# Altium PCB COPY_HIVE_BOARD.PcbDoc (part 3 of 9) (continued)
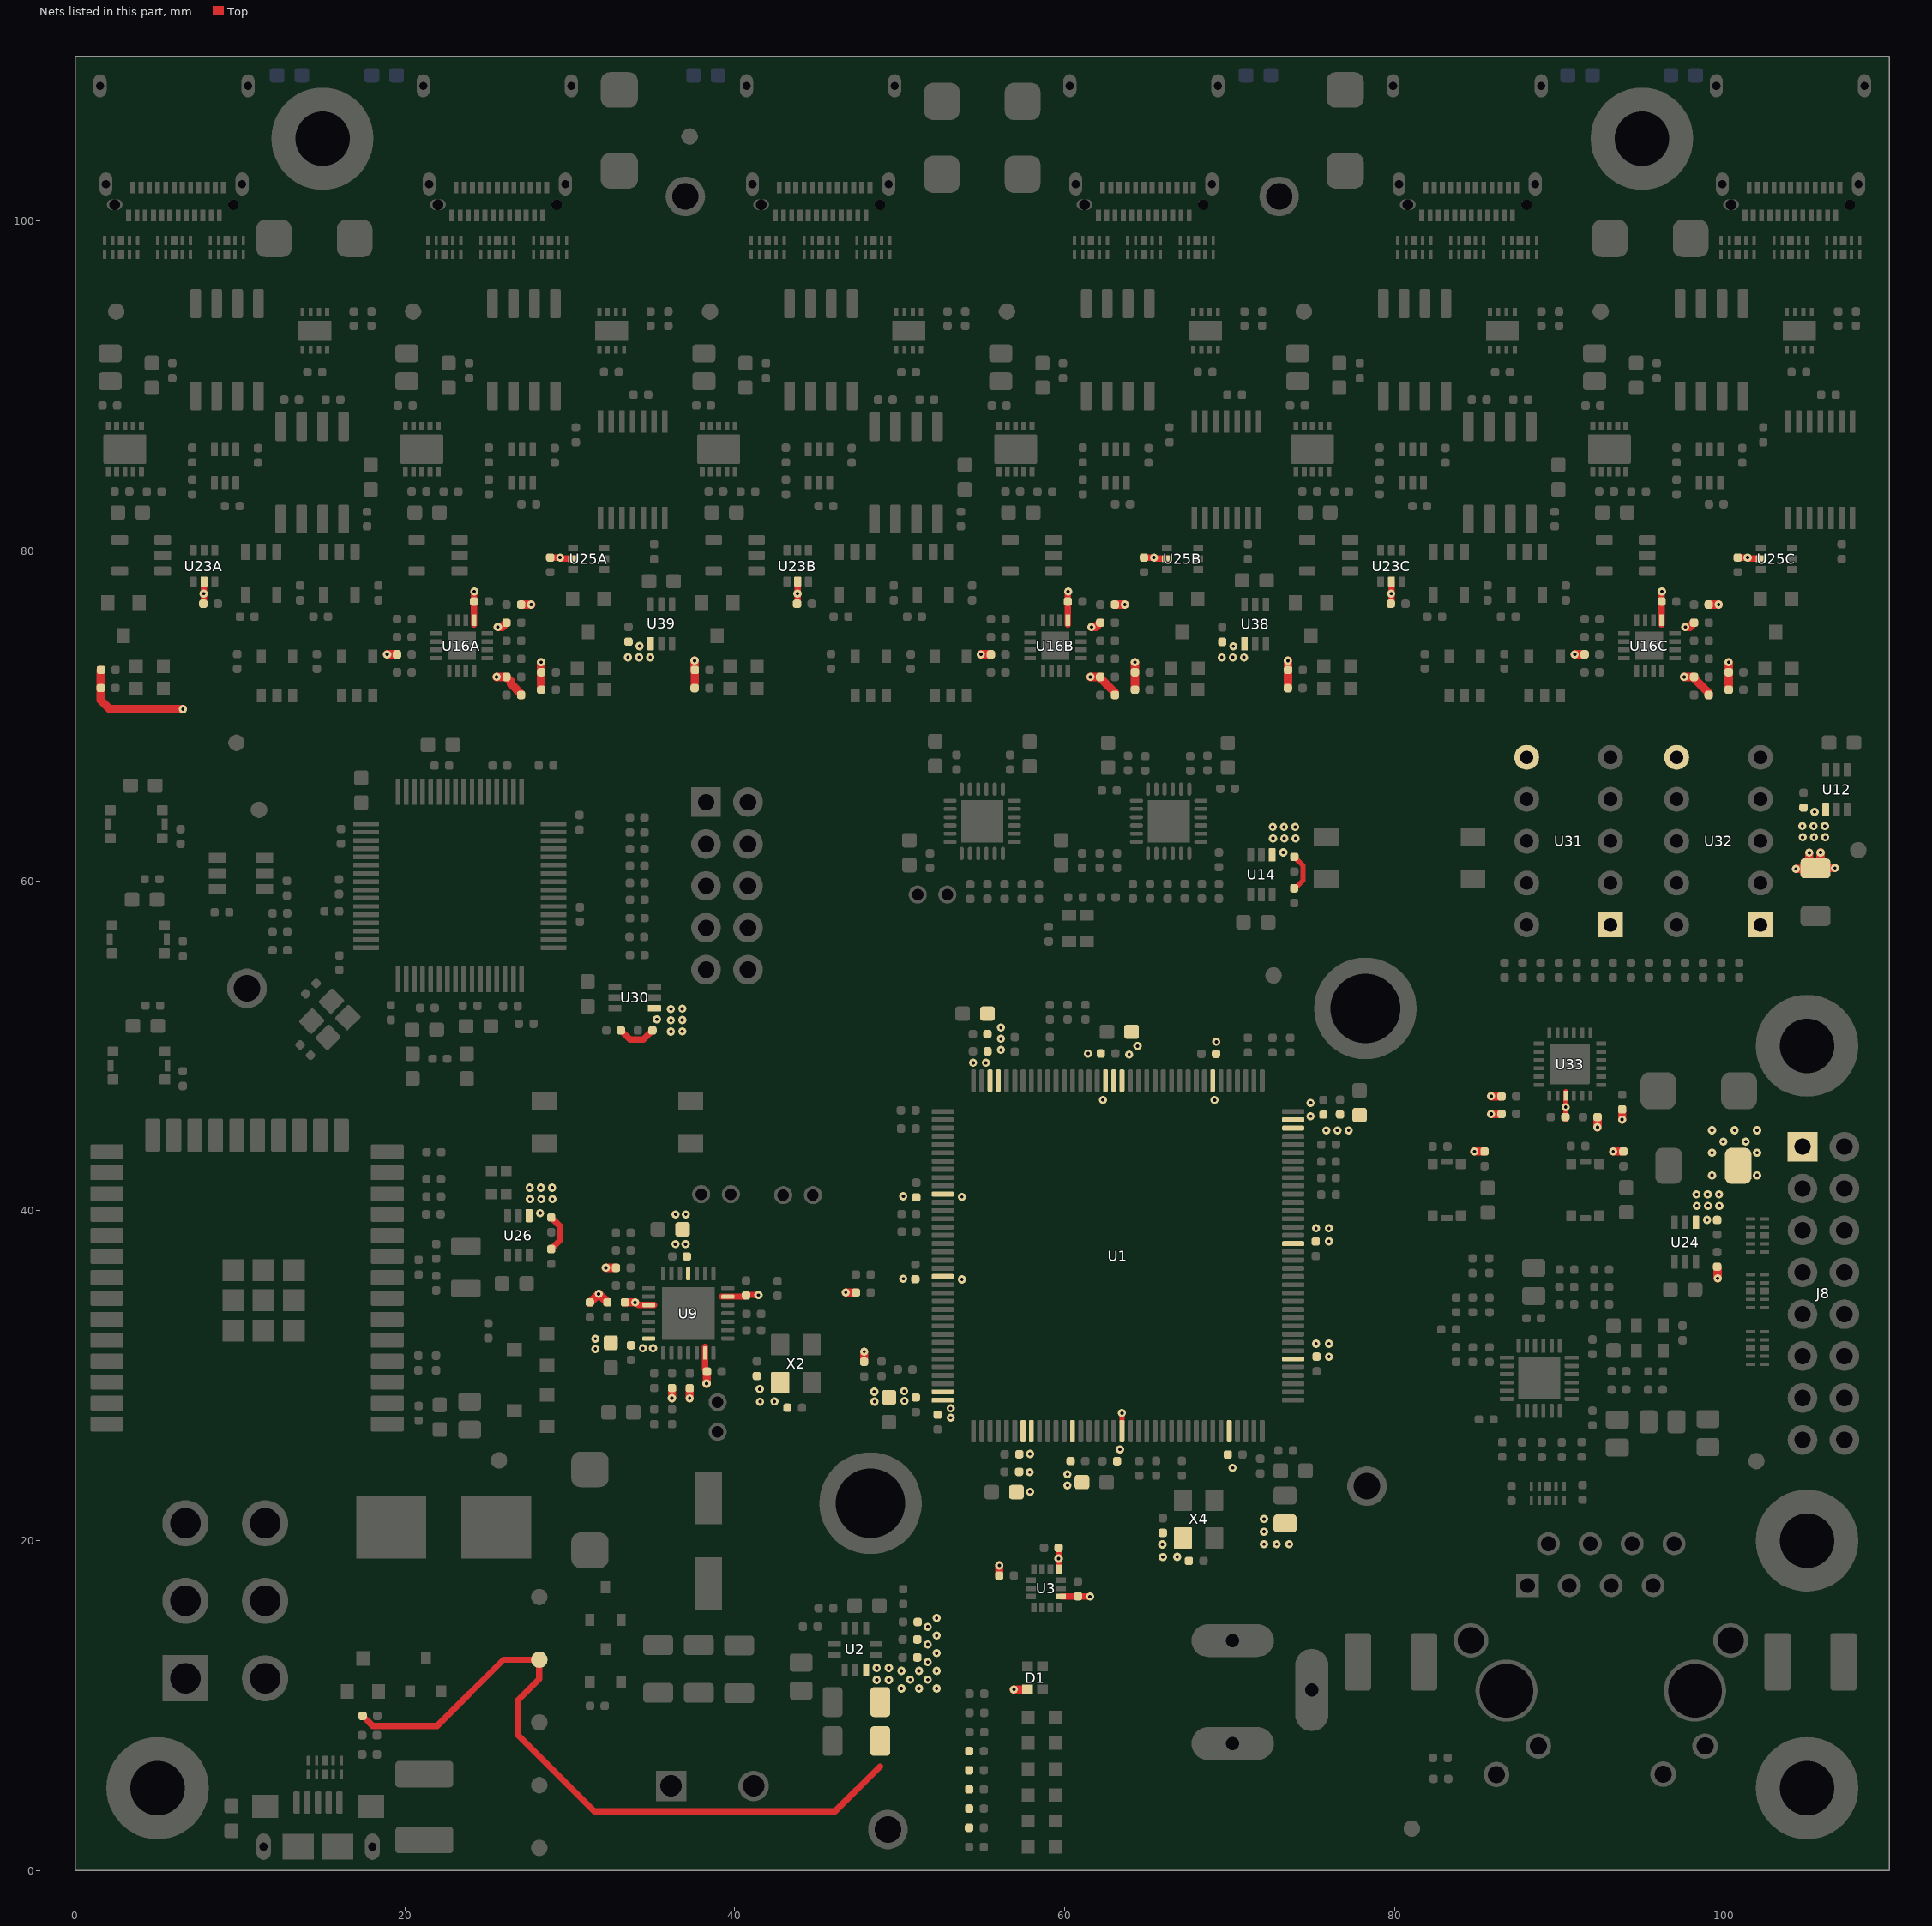
[diagram p9: the nets of this part, all layers, seen from the top]
## Part data (continued)
D14A D14B D14C D20A D20B D20C: library part LED_SML-D12U8WT86, "LED - RED DIFFUSED 0603 SMD - 0603", Current Rating=1-20mA, Manufacturer #1="Rohm Semiconductor", Package=0603, Supplier Part Number 1=511-1580-1-ND, Temperature=-40〜+85, Voltage Rating="2.2V (Forward), 5V (max Reverse)", Assembly Type=SMD, CreatedBy/Date="Olivier Bernard / 01/02/2018", Cryo=UNKNOWN, GRAMS Lib Spec=2.8, HelpURL=https://d1d2qsbl8m0m72.cloudfront.net/en/products/databook/datasheet/opto/led/chip_mono/sml-d12x8_d13x8-e.pdf, Magnetic Material=UNKNOWN, Note="Operate at 2mA", Part Number #1=SML-D12U8WT86, Polarized=Yes, Supplier 1=Digi-Key, VerifiedBy="Caroline Paulin / 6 juillet 2018"
D28: library part TVS_POW_SMLVT3V3, "TVS - 3.3V 10.3V 600W - DO214AA", Current Rating="200A (Ifsm)", Manufacturer #1=STMicroelectronics, Package=DO214AA, Power Max="600W (Ppp)", Supplier Part Number 1=497-2496-1-ND, Temperature="-55°C ~ 175°C (TJ)", Voltage Rating="3.3V Standoff", Assembly Type=SMD, CreatedBy/Date="Jonathan Bouchard - 2019-04-27", Cryo=UNKNOWN, GRAMS Lib Spec=2.8, HelpURL=https://www.st.com/content/ccc/resource/technical/document/datasheet/da/a4/86/90/17/13/47/7c/CD00000923.pdf/files/CD00000923.pdf/jcr:content/translations/en.CD00000923.pdf, Magnetic Material=UNKNOWN, Part Number #1=SMLVT3V3, Polarized=YES, Supplier 1=Digi-Key, VerifiedBy="Nicolas V. (2019-05-06)"
F1: library part FUS_0154005.DR, "FUS - 5 A 125 VAC/VDC - 2-SMD", Current Rating=5A, Manufacturer #1="Littelfuse Inc.", Package=2-SMD, Supplier Part Number 1=F1228CT-ND, Temperature="-55°C ~ 125°C", Voltage Rating=125V, Assembly Type=SMD, CreatedBy/Date="Arnaud Samson - 06/07/18", Cryo=UNKNOWN, GRAMS Lib Spec=2.8, HelpURL=http://www.littelfuse.com/~/media/electronics/datasheets/fuses/littelfuse_fuse_154_154t_154l_154tl_datasheet.pdf.pdf, Magnetic Material=UNKNOWN, Part Number #1=0154005.DR, Polarized=NO, Supplier 1=Digi-Key, VerifiedBy="Jonathan Bouchard 2018-07-16"
FID1 FID2 FID3: library part FID_CIRCLE_1MM, "FID - FIDUCIAL 1MM CIRCLE DOUBLE-SIDED - 1MM", Package="1MM CIRCLE", Assembly Type=NONE, CreatedBy/Date="Jonathan Bouchard 2018-07-23", GRAMS Lib Spec=2.8, HelpURL=https://www.pcb-3d.com/wordpress/wp-content/uploads/ipc-sm-782a_amendment_1_and_2.pdf, Magnetic Material=NO, VerifiedBy="Caroline Paulin - 25 juillet 2018"
HS1: library part THE_HS_ATS-CPX025025015-138-C2-R0_NOMH, "THE_HS - Heat Sink  25x25x15 mm - TH M3", Manufacturer #1="Advanced Thermal Solutions Inc.", Package=20x20x15mm, Power Max="12.20 °C/W @ 100LFM", Supplier Part Number 1=ATS1516-ND, Assembly Type="M3 Screws", CreatedBy/Date="Philippe Arsenault/2021-04-08", GRAMS Lib Spec=2.8, HelpURL=https://www.qats.com/pushPIN/DataSheet/ATS-CPX025025015-138-C2-R0, Magnetic Material=Unknown, Part Number #1=ATS-CPX025025015-138-C2-R0, Polarized=No, Supplier 1=Digi-Key, VerifiedBy="Louis-Daniel Gaulin / 14-04-2021"
J1: library part CON_USB_2.0_MicroB_10118193-0001LF, "CON - USB MICRO B RECPT SMT R/A - 4PIN", Current Rating=1.8A/contact, Manufacturer #1="Amphenol ICC (FCI)", Package=5-SMD, Supplier Part Number 1=609-4616-1-ND, Temperature="-30°C ~ 80°C", Voltage Rating=100VAC, Assembly Type=SMD, CreatedBy/Date="Louis-Daniel Gaulin / 31-05-2021", Cryo=UNKNOWN, GRAMS Lib Spec=2.8, HelpURL=https://www.amphenol-icc.com/media/wysiwyg/files/drawing/10118193.pdf?__cf_chl_jschl_tk__=6d5b316db0ca5d2788caa1989b39659b9ea3c0ed-1622505795-0-AaRt1DRyGvMNSBAk-qveCbchLKWQVIAmMiw21edGgytfrVBaCdBHD0R7JP7UqzERtsgLGU8HnLnb9NYw-qq_cWljJZMkMwMtVSFHzRWJlLGbudgxgloryBeAgmSCpzkO2dZRjU3EQamWhvcULwajMV3fUiPho2i-h9AvBD-JqRwzr_N72ynCGWIjWcVHfmsFPyxAQrRMF2zITy4XZMyiz2AisoEE3UXmLsQg-7dODwqIJ2w3QedNraoyztkugiCMWxiG_3uBZp4Hnkmn46Uonr3vdxMQME4_KheuMgFPp_P5DOBRGOjNcuKVWDKaTIxtzSjm-Vi4YySbwfngYOahHgBwxZ2C5SyJl7R0K4LSNt2ojAQ_mNseQmjUzt2NlEQzWcUY5VyszMT4_2moKBiyVJV5rMzbQJeY5pbhSVMFh_uqO5OAY_NpBW4J5fNDt7yaBnEN83RzXmHLdXapuDszcAuGnTT7dhkWobY6IAAHQ-dVnvz40dzhWNjP-wfi7Oy6mg, Magnetic Material=YES, Part Number #1=10118193-0001LF, Polarized=YES, Supplier 1=Digi-Key, VerifiedBy="Philippe Arsenault/2021-06-07"
J2: library part CON_PWR_54-00166, "CON -  PWR JACK 231X5.5MM SOLDER RIGHT ANGLE - TH", Current Rating=6A, Manufacturer #1="Tensility International Corp", Manufacturer #2=-, Package=TH, Supplier Part Number 1=839-54-00166-ND, Temperature="-20°C ~ 70°C", Voltage Rating=48V, Assembly Type=TH, CreatedBy/Date="L-D Gaulin / 23-05-2021", Cryo=UNKNOWN, GRAMS Lib Spec=2.8, HelpURL=https://tensility.s3.amazonaws.com/uploads/pdffiles/54-00166.pdf?X-Amz-Expires=600&X-Amz-Date=20210524T010042Z&X-Amz-Algorithm=AWS4-HMAC-SHA256&X-Amz-Credential=AKIAIS2S4WRDQDSWDRZQ%2F20210524%2Fus-west-2%2Fs3%2Faws4_request&X-Amz-SignedHeaders=host&X-Amz-Signature=421a14a98a6cb1d4ecc5694c8922295a9a1148252ef58783507cb2127da09a73, Magnetic Material=Unknown, Note=-, Part Number #1=54-00166, Part Number #2=-, Polarized=Yes, Supplier 1=Digi-Key, Tolerance=-, VerifiedBy="Philippe Arsenault/24-05-2021"
J3: library part CON_1935161, "CON - TERM BLK 2POS SIDE ENTRY 5MM PCB - TH - 14-26 AWG", Current Rating=17.5A, Manufacturer #1="Phoenix Contact", Package=TH, Supplier Part Number 1=277-1667-ND, Temperature="-40 °C ~ 100 °C", Voltage Rating=400V, Assembly Type=TH, CreatedBy/Date="Louis-Daniel Gaulin / 02-11-2020", Cryo=UNKNOWN, GRAMS Lib Spec=2.8, HelpURL=https://media.digikey.com/pdf/Data%20Sheets/Phoenix%20Contact%20PDFs/1935161.pdf, Magnetic Material=Unknown, Part Number #1=1935161, Polarized=Yes, Supplier 1=Digi-Key, VerifiedBy="Philippe Arsenault/2020-11-06"
J4A J4B J4C J5A J5B J5C: library part CON_USB_3.2_TypeC_12401598E4#2A, "CON_USB - USB 3.2 Gen 2 (USB 3.1 Gen 2, Superspeed + (USB 3.1)) 24 pos Receptacle - R/A", Current Rating="5A total", Manufacturer #1="Amphenol ICC (Commercial Products)", Package="SMD + TH R/A", Power Max=-, Supplier Part Number 1=12401598E4#2ACT-ND, Temperature="max 105°C", Assembly Type="SMD + TH", CreatedBy/Date="Louis-Daniel Gaulin / 07-04-2021", GRAMS Lib Spec=2.8, HelpURL=https://www.amphenol-icc.com/media/wysiwyg/files/drawing/12401598xxx2a.pdf, Magnetic Material=Unknown, Part Number #1=12401598E4#2A, Polarized=Yes, Supplier 1=Digi-Key, VerifiedBy="Philippe Arsenault/2021-04-08", Voltage Rating=-
J6: library part CON_ETH_J1B1211CCD, "CON_ETH - 1 Port RJ45 Magjack Connector Through Hole 10/100 Base-T, AutoMDIX / 350 µH minimum OCL with 8 mA bias current.", Manufacturer #1=WIZnet, Part Number #1=1278-1052-ND, Temperature="-40°C ~ 85°C", Assembly Type=SMD, CreatedBy/Date="Hubert Dube - 12/02/2021", Cryo=UNKNOWN, GRAMS Lib Spec=2.8, HelpURL=http://wizwiki.net/wiki/lib/exe/fetch.php?media=products:wiz550web:wiz550webds_kr:j1b1211ccd.pdf, Magnetic Material=Unknown, Polarized=Yes, Supplier 1=Digi-Key, Supplier Part Number 1=1278-1052-ND, VerifiedBy="Philippe Arsenault - 2021-03-10"
J7: library part CON_HDR_PREC005DAAN-RC, "CON - Connector Header Through Hole 10 position 0.100\" (2.54mm)", Current Rating=3A, Manufacturer #1="Sullins Connector Solutions", Package="TH 2x5", Supplier Part Number 1=S2012EC-05-ND, Temperature="-40°C ~ 105°C", Assembly Type=TH, CreatedBy/Date="Philippe Arsenault/2021-03-27", GRAMS Lib Spec=2.8, HelpURL=https://drawings-pdf.s3.amazonaws.com/11636.pdf, Magnetic Material=Unknown, Part Number #1=PREC005DAAN-RC, Polarized=Yes, Supplier 1=Digi-Key, VerifiedBy="Louis-Daniel Gaulin / 08-04-2021"
J8: library part CON_HDR_PREC008DAAN-RC, "CON - Connector Header Through Hole 16 position 0.100\" (2.54mm)", Current Rating=3A, Manufacturer #1="Sullins Connector Solutions", Package="TH 2x8", Supplier Part Number 1=S2012EC-08-ND, Temperature="-40°C ~ 105°C", Assembly Type=TH, CreatedBy/Date="Hubert Dube -  16/03/2021", GRAMS Lib Spec=2.7, HelpURL=https://drawings-pdf.s3.amazonaws.com/11636.pdf, Magnetic Material=Unknown, Part Number #1=PREC008DAAN-RC, Polarized=Yes, Supplier 1=Digi-Key, VerifiedBy="Philippe Arsenault/2021-03-25"
J10 J12 J13 J15 J17: library part CON_JMP_SNT-100-BK-T-H, "CON - CONN SHUNT - MEC", Current Rating=4.3A, Manufacturer #1="Samtec Inc.", Package=MEC, Supplier Part Number 1=SAM8972-ND, Temperature="-55 °C to +125 °C", Voltage Rating="450 VAC", Assembly Type=MANUAL, CreatedBy/Date="Arnaud Samson - 09/07/18", GRAMS Lib Spec=2.8, HelpURL=http://suddendocs.samtec.com/catalog_english/snt.pdf, Magnetic Material=UNKNOWN, Part Number #1=SNT-100-BK-T-H, Polarized=NO, Supplier 1=Digi-Key, VerifiedBy="Jonathan Bouchard 2018-07-12"
L1 L3: library part FER_MMZ2012Y202BT000, "FER - FERRITE BEAD 2 KOHM @ 100 MHz 400 mA - 0805", Current Rating="400 mA", Manufacturer #1="TDK Corporation", Package=0805, Supplier Part Number 1=445-1561-1-ND, Temperature="-55°C ~ 125°C", Assembly Type=SMD, CreatedBy/Date="Hubert Dube - 7/02/2021", Cryo=UNKNOWN, GRAMS Lib Spec=2.8, HelpURL=https://product.tdk.com/info/en/catalog/datasheets/beads_commercial_signal_mmz2012_en.pdf, Magnetic Material=Unknown, Part Number #1=MMZ2012Y202BT000, Polarized=No, Supplier 1=Digi-Key, VerifiedBy="Philippe Arsenault/ 2021-03-13"
L4 L6: library part FER_BLM18HE152SN1D, "FER - 1.5 kOhms @ 100MHz 1 Signal Line Ferrite Bead 0603 (1608 Metric) 500mA 500mOhm DC", Current Rating=500mA, Manufacturer #1="Murata Electronics", Package=0603, Supplier Part Number 1=490-5216-1-ND, Temperature="-55°C ~ 125°C", Assembly Type=SMD, CreatedBy/Date="Hubert Dube - 16/03/2021", Cryo=UNKNOWN, GRAMS Lib Spec=2.8, HelpURL=https://www.murata.com/en-us/products/productdata/8796741599262/ENFA0004.pdf, Magnetic Material=Unknown, Part Number #1=BLM18HE152SN1D, Polarized=No, Supplier 1=Digi-Key, VerifiedBy="Philippe Arsenault - 2021-03-16"
MEC1 MEC2: library part MEC_PEM_SMTSO-M3-2ET, "MEC- PEM SMD THREADED SPACER M3 - SMD", Manufacturer #1="PENN ENGINEERING", Package=SMD, Power Max=-, Assembly Type=SMD, CreatedBy/Date="Gabriel St-H./30-04-2019", Cryo=UNKNOWN, GRAMS Lib Spec=2.7, HelpURL=http://catalog.pemnet.com/item/uts-and-spacers-standoffs-surface-mount-type-smtso/nt-nuts-and-spacers-standoffs-br-type-smtso-metric/smtso-m3-2et, Magnetic Material=Unknown, Part Number #1=SMTSO-M3-2ET, Polarized=NO, Supplier 1="PENN ENGINEERING", Supplier Part Number 1=SMTSO-M3-2ET, Temperature=-, Tolerance=-, VerifiedBy="Nicolas V. (2019-05-02)", Voltage Rating=-
MTH1 MTH2 MTH3 MTH4 MTH5 MTH6: library part MTH_M3, "MTH - MOUNTING HOLE M3 PLATED - M3", Assembly Type=NONE, CreatedBy/Date="Jonathan Bouchard 2018-07-23", Cryo=UNKNOWN, GRAMS Lib Spec=2.8, HelpURL=https://littlemachineshop.com/images/gallery/PDF/TapDrillSizes.pdf, Magnetic Material=NO, Package=M3, VerifiedBy="Arnaud Samson 23-07-18"
Q1: library part TRX_PMOS_SI2369DS-T1-GE3, "TRX - PMOS 30V 7.6A - SOT−23", Current Rating=7.6A, Manufacturer #1="Vishay Siliconix", Package=SOT-23, Power Max=1.25W, Supplier Part Number 1=SI2369DS-T1-GE3CT-ND, Temperature="-55°C ~ 150°C", Voltage Rating=30V, Assembly Type=SMD, CreatedBy/Date="Louis-Daniel Gaulin / 30-07-2020", Cryo=UNKNOWN, GRAMS Lib Spec=2.8, HelpURL=https://www.vishay.com/docs/62865/si2369d.pdf, Magnetic Material=Unknown, Part Number #1=SI2369DS-T1-GE3, Polarized=Yes, Supplier 1=Digi-Key, VerifiedBy="Philippe Arsenault/2020-11-06"
Q2 Q3A Q3B Q3C Q4A Q4B Q4C Q5 Q6: library part TRX_NMOS_BSS138LT1G, "TRX - NMOS - 50V 200MA - SOT−23-3", Current Rating=200mA, Manufacturer #1="ON Semiconductor", Package=SOT-23-3, Power Max=225mW, Supplier Part Number 1=BSS138LT1GOSCT-ND, Temperature="-55°C ~ 150°C", Voltage Rating=50V, Assembly Type=SMD, CreatedBy/Date="Joel Lemay 2018-06-15", Cryo=UNKNOWN, GRAMS Lib Spec=2.8, HelpURL=http://www.onsemi.com/pub/Collateral/BSS138LT1-D.PDF, Magnetic Material=Unknown, Part Number #1=BSS138LT1G, Polarized=Yes, Supplier 1=Digi-Key, VerifiedBy="Caroline Paulin - 6 sept 2018"
R1 R2 R5 R23 R25 R33 R40 R46 R77A R77B R77C R110A R110B R110C R115A R115B R115C R123A R123B R123C R129: library part RES_ERJ-2RKF4750X, "RES - 475R 1% 1/10W- 0402", Manufacturer #1="Panasonic Electronic Components", Package=0402, Power Max=1/10W, Supplier Part Number 1=P475LCT-ND, Temperature="-55°C ~ 155°C", Tolerance=1%, Voltage Rating=50V, Assembly Type=SMD, CreatedBy/Date="Keven Deslandes 2018-10-17", Cryo=UNKNOWN, GRAMS Lib Spec=2.8, HelpURL=https://industrial.panasonic.com/cdbs/www-data/pdf/RDA0000/AOA0000C304.pdf, Magnetic Material=Unknown, Part Number #1=ERJ-2RKF4750X, Polarized=No, Supplier 1=Digi-Key, VerifiedBy="Carolilne Paulin - 18/12/2018"
R3 R8 R11 R12 R22 R27 R28 R38 R63 R80 R81 R83 R84 R85 R86 R87 R88 R89 R90 R182 R183: library part RES_RC0402FR-071KL, "RES - 1K OHM 1% 1/16W - 0402", Manufacturer #1=Yageo, Package=0402, Power Max=1/16W, Supplier Part Number 1=311-1.00KLRCT-ND, Temperature="-55°C ~ 155°C", Tolerance=1%, Voltage Rating=50V, Assembly Type=SMD, CreatedBy/Date="Jonathan Bouchard 2018-07-05", Cryo=UNKNOWN, GRAMS Lib Spec=2.8, HelpURL=http://www.yageo.com/documents/recent/PYu-RC_Group_51_RoHS_L_9.pdf, Magnetic Material=YES, Part Number #1=RC0402FR-071KL, Polarized=NO, Supplier 1=Digi-Key, VerifiedBy="Arnaud Samson 16-07-18"
  R182 R183: Assembly Note=DNI
R4 R6 R7 R10 R13 R14 R16 R17 R20 R21 R24 R29 R35 R36 R53 R58 R59 R60 R61 R64 R65 R66 R67 R68 R69 R73 R75 R76 R78 R91 R92 R93A R93B R93C R96 R101A R101B R101C R109 R111A R111B R111C R112A R112B R112C R113A R113B R113C R114 R116 R120 R121 R122 R124A R124B R124C R125 R126 R127A R127B R127C R131 R133A R133B R133C R134 R153 R156 R157 R158 R159 R160 R175 R176 R177 R180 R181: library part RES_RC0402FR-0710KL, "RES - 10K OHMS 1% 1/16W - 0402", Manufacturer #1=Yageo, Package=0402, Power Max=1/16W, Supplier Part Number 1=311-10.0KLRCT-ND, Temperature="-55°C ~ 155°C", Tolerance=1%, Voltage Rating=50V, Assembly Type=SMD, CreatedBy/Date="Nicolas V. (2018-11-20)", Cryo=UNKNOWN, GRAMS Lib Spec=2.8, HelpURL=http://www.yageo.com/documents/recent/PYu-RC_Group_51_RoHS_L_9.pdf, Magnetic Material=UNKNOWN, Part Number #1=RC0402FR-0710KL, Polarized=NO, Supplier 1=Digi-Key, VerifiedBy="Nicolas V. (2018-11-20)"
  R4 R6 R7 R10 R16 R17 R20 R21 R24 R29 R35 R36 R64 R93A R93B R93C R96 R101A R101B R101C R109 R111A R111B R111C R112A R112B R112C R113A R113B R113C R120 R124A R124B R124C R125 R127A R127B R127C R131 R133A R133B R133C R177 R180 R181: Solder Paste Type=UNKNOWN, Stencil Thickness (Recommended)=UNKNOWN
  R116 R156 R157 R158 R159 R160 R176: Assembly Note=DNI
R9 R39 R71 R135 R136 R137 R138 R139 R140 R141 R142 R143 R144 R145 R146 R147 R148 R149 R150: library part RES_RC0402FR-07150RL, "RES - 150R 1% 1/16W - 0402", Manufacturer #1=Yageo, Package=0402, Power Max=1/16W, Supplier Part Number 1=311-150LRCT-ND, Temperature="-55°C ~ 155°C", Tolerance=1%, Voltage Rating=50V, Assembly Type=SMD, CreatedBy/Date="Jonathan Bouchard 2019-03-25", Cryo=UNKNOWN, GRAMS Lib Spec=2.8, HelpURL=http://www.yageo.com/documents/recent/PYu-RC_Group_51_RoHS_L_10.pdf, Magnetic Material=Unknown, Part Number #1=RC0402FR-07150RL, Polarized=No, Supplier 1=Digi-Key, VerifiedBy="Nicolas V. (2019-05-02)"
R15: library part RES_RC0402FR-0747KL, "RES - 47k ±1% 1/16W - 0402", Manufacturer #1=Yageo, Package=0402, Power Max=1/16W, Supplier Part Number 1=311-47.0KLRCT-ND, Temperature="-55°C ~ 155°C", Tolerance=1%, Voltage Rating=50V, Assembly Type=SMD, CreatedBy/Date="Louis-Daniel Gaulin / 11-04-2021", GRAMS Lib Spec=2.8, HelpURL=https://www.yageo.com/upload/media/product/productsearch/datasheet/rchip/PYu-RC_Group_51_RoHS_L_11.pdf, Magnetic Material=Unknown, Part Number #1=RC0402FR-0747KL, Polarized=No, Supplier 1=Digi-Key, VerifiedBy="Philippe Arsenault/2021-04-14"
R18 R19 R47 R48: library part RES_RMCF0402FT10R0, "RES - 10R 1% 1/16W - 0402", Current Rating=1A, Manufacturer #1="Stackpole Electronics Inc.", Manufacturer #2=Panasonic, Package=0402, Part Number #2=ERJ-2RKF10R0X, Power Max=1/16W, Supplier Part Number 1=RMCF0402FT10R0CT-ND, Temperature="-55°C ~ 155°C", Tolerance=1%, Voltage Rating=50V, Assembly Type=SMD, CreatedBy/Date="Joel Lemay 2018-07-04", Cryo=UNKNOWN, GRAMS Lib Spec=2.8, HelpURL=https://www.seielect.com/Catalog/SEI-RMCF_RMCP.pdf, Magnetic Material=Unknown, Part Number #1=RMCF0402FT10R0, Polarized=No, Supplier 1=Digi-Key, VerifiedBy="Caroline Paulin - 6 sept 2018"
R26: library part RES_RC0402FR-0715KL, "RES - 15K 1% 1/16W - 0402", Manufacturer #1=Yageo, Package=0402, Power Max=1/16W, Supplier Part Number 1=311-15.0KLRCT-ND, Temperature="-55°C ~ 155°C", Tolerance=1%, Voltage Rating=50V, Assembly Type=SMD, CreatedBy/Date="Keven Deslandes 2018-09-24", Cryo=UNKNOWN, GRAMS Lib Spec=2.8, HelpURL=http://www.yageo.com/documents/recent/PYu-RC_Group_51_RoHS_L_9.pdf, Magnetic Material=Unknown, Part Number #1=RC0402FR-0715KL, Polarized=No, Supplier 1=Digi-Key, VerifiedBy="Caroline Paulin - 18/12/2018"
R30 R154A R154B R154C R155A R155B R155C: library part RES_RC0603JR-070RL, "RES - 0 ohm jumper 1/10W - 0603", Manufacturer #1=Yageo, Package=0603, Power Max=1/10W, Supplier Part Number 1=311-0.0GRCT-ND, Temperature="-55°C ~ 155°C", Voltage Rating=-, Assembly Note=DNI, Assembly Type=SMD, CreatedBy/Date="L-P Gauthier 2018-10-30", Cryo=UNKNOWN, GRAMS Lib Spec=2.8, HelpURL=http://www.yageo.com/documents/recent/PYu-RC_Group_51_RoHS_L_9.pdf, Magnetic Material=Unknown, Part Number #1=RC0603JR-070RL, Polarized=No, Supplier 1=Digi-Key, VerifiedBy="Caroline Paulin  - 5/11/2018"
R31 R32 R37 R54 R55 R56 R57 R62 R79 R94A R94B R94C R128A R128B R128C: library part RES_RC0402FR-07100RP, "RES - 100R OHM 1% 1/16W - 0402", Manufacturer #1=Yageo, Package=0402, Power Max=1/16W, Supplier Part Number 1=YAG1248CT-ND, Temperature="-55°C ~ 155°C", Tolerance=1%, Voltage Rating=50V, Assembly Type=SMD, CreatedBy/Date="Jonathan Bouchard 2018-07-05", Cryo=UNKNOWN, GRAMS Lib Spec=2.8, HelpURL=http://www.yageo.com/documents/recent/PYu-RC_Group_51_RoHS_L_9.pdf, Magnetic Material=YES, Part Number #1=RC0402FR-07100RP, Polarized=NO, Supplier 1=Digi-Key, VerifiedBy="Arnaud Samson 16-07-18"
R34 R95A R95B R95C R97A R97B R97C R99A R99B R99C R100A R100B R100C R106A R106B R106C R107A R107B R107C R117A R117B R117C R118A R118B R118C R119A R119B R119C: library part RES_RC0402FR-07100KL, "RES - 100K 1% 1/16W - 0402", Manufacturer #1=Yageo, Package=0402, Power Max=1/16W, Supplier Part Number 1=311-100KLRCT-ND, Temperature="-55°C ~ 155°C", Tolerance=1%, Voltage Rating=50V, Assembly Type=SMD, CreatedBy/Date="Keven Deslandes 2018-10-19", Cryo=UNKNOWN, GRAMS Lib Spec=2.8, HelpURL=http://www.yageo.com/documents/recent/PYu-RC_Group_51_RoHS_L_9.pdf, Magnetic Material=Unknown, Part Number #1=RC0402FR-07100KL, Polarized=No, Supplier 1=Digi-Key, VerifiedBy="Caroline Paulin - 18/12/2018"
R41 R42 R43 R44: library part RES_RC0402FR-0749R9L, "RES - 49.9 R ±1% 1/16W -  0402", Manufacturer #1=Yageo, Package=0402, Power Max=1/16W, Supplier Part Number 1=311-49.9LRCT-ND, Temperature="-55°C ~ 155°C", Tolerance=1%, Voltage Rating=50V, Assembly Type=SMD, CreatedBy/Date="Hubert Dubé - 3/02/2020", GRAMS Lib Spec=2.8c, HelpURL=https://www.yageo.com/upload/media/product/productsearch/datasheet/rchip/PYu-RC_Group_51_RoHS_L_11.pdf, Magnetic Material=Unknown, Part Number #1=RC0402FR-0749R9L, Polarized=No, Supplier 1=Digi-Key, VerifiedBy="Philippe Arsenault/2021-02-08"
R45: library part RES_RC0402FR-071K5L, "RES - 1.5K 1% 1/16W - 0402", Current Rating=-, Manufacturer #1=Yageo, Package=0402, Power Max=1/16W, Supplier Part Number 1=311-1.50KLRCT-ND, Temperature="-55°C ~ 155°C", Tolerance=1%, Voltage Rating=50V, Assembly Type=SMD, CreatedBy/Date="Philippe Arsenault/21 Janvier 2020", Cryo=UNKNOWN, GRAMS Lib Spec=2.8c, HelpURL=https://www.yageo.com/upload/media/product/productsearch/datasheet/rchip/PYu-RC_Group_51_RoHS_L_10.pdf, Magnetic Material=Unknown, Manufacturer #2=-, Note=-, Part Number #1=RC0402FR-071K5L, Part Number #2=-, Polarized=No, Supplier 1=Digi-Key, VerifiedBy="C.Paulin - 28/01/2020"
R49 R51: library part RES_RC0402FR-07270RL, "RES - 270R 1% 1/16W - 0402", Manufacturer #1=Yageo, Package=0402, Power Max=1/16W, Supplier Part Number 1=311-270LRCT-ND, Temperature="-55°C ~ 155°C", Tolerance=1%, Voltage Rating=50V, Assembly Type=SMD, CreatedBy/Date="Philippe Arsenault 2020-07-24", GRAMS Lib Spec=2.8c, HelpURL=https://www.yageo.com/upload/media/product/productsearch/datasheet/rchip/PYu-RC_Group_51_RoHS_L_10.pdf, Magnetic Material=Unknown, Part Number #1=RC0402FR-07270RL, Polarized=No, Supplier 1=Digi-Key, VerifiedBy="Louis-Daniel Gaulin / 03-10-2020"
R50: library part RES_RC0402FR-0712K1L, "RES - 12K1 ±1% 1/16W - 0402", Manufacturer #1=Yageo, Package=0402, Power Max=1/16W, Supplier Part Number 1=311-12.1KLRCT-ND, Temperature="-55°C ~ 155°C", Tolerance=1%, Voltage Rating=50V, Assembly Type=SMD, CreatedBy/Date="Hubert Dubé - 7/02/2020", GRAMS Lib Spec=2.8c, HelpURL=https://www.yageo.com/upload/media/product/productsearch/datasheet/rchip/PYu-RC_Group_51_RoHS_L_11.pdf, Magnetic Material=Unknown, Part Number #1=RC0402FR-0712K1L, Polarized=No, Supplier 1=Digi-Key, VerifiedBy="Philippe Arsenault/2021-02-08"
R52 R74: library part RES_RC0402FR-0712KL, "RES - 12k Ohms ±1% 0.063W, 1/16W Chip Resistor 0402 (1005 Metric) Moisture Resistant Thick Film", Manufacturer #1=Yageo, Package=0402, Power Max=1/16W, Supplier Part Number 1=311-12.0KLRCT-ND, Temperature="-55°C ~ 155°C", Tolerance=1%, Voltage Rating=50V, Assembly Type=SMD, CreatedBy/Date="Philippe Arsenault/2021-03-11", GRAMS Lib Spec=2.8c, HelpURL=https://www.yageo.com/upload/media/product/productsearch/datasheet/rchip/PYu-RC_Group_51_RoHS_L_11.pdf, Magnetic Material=Unknown, Part Number #1=RC0402FR-0712KL, Polarized=No, Supplier 1=Digi-Key, VerifiedBy="Hubert Dube - 19/03/2021"
R70: library part RES_RC0402FR-071ML, "RES - 1 MOhms ±1% 0.063W, 1/16W Chip Resistor 0402 (1005 Metric) Moisture Resistant Thick Film", Manufacturer #1=Yageo, Package=0402, Power Max=1/16W, Supplier Part Number 1=311-1.00MLRCT-ND, Temperature="-55°C ~ 155°C", Tolerance=1%, Voltage Rating=50V, Assembly Type=SMD, CreatedBy/Date="Hubert Dube 16/03/2021", GRAMS Lib Spec=2.8c, HelpURL=https://www.yageo.com/upload/media/product/productsearch/datasheet/rchip/PYu-RC_Group_51_RoHS_L_11.pdf, Magnetic Material=Unknown, Part Number #1=RC0402FR-071ML, Polarized=No, Supplier 1=Digi-Key, VerifiedBy="Philippe Arsenault - 2021/03/16"
R72: library part RES_RC0402FR-072K2L, "RES - 2.2K 1% 1/16W - 0402", Manufacturer #1=Yageo, Package=0402, Power Max=1/16W, Supplier Part Number 1=311-2.20KLRCT-ND, Temperature="-55°C ~ 155°C", Tolerance=1%, Voltage Rating=50V, Assembly Type=SMD, CreatedBy/Date="Keven Deslandes 2018-11-14", Cryo=UNKNOWN, GRAMS Lib Spec=2.8, HelpURL=http://www.yageo.com/documents/recent/PYu-RC_Group_51_RoHS_L_10.pdf, Magnetic Material=Unknown, Part Number #1=RC0402FR-072K2L, Polarized=No, Supplier 1=Digi-Key, VerifiedBy="Caroline Paulin - 8 janv 2019"
R82 R161 R162 R163 R164A R164B R164C R165 R166 R167 R168 R169 R170 R171 R172 R173 R174A R174B R174C R179: library part RES_RC0402FR-0733RL, "RES - 33 OHM 1% 1/16W - 0402", Manufacturer #1=Yageo, Package=0402, Power Max=1/16W, Supplier Part Number 1=311-33.0LRCT-ND, Temperature="-55°C ~ 155°C", Tolerance=1%, Voltage Rating=50V, Assembly Type=SMD, CreatedBy/Date="Louis-Daniel Gaulin/ 14/01/2020", Cryo=UNKNOWN, GRAMS Lib Spec=2.8c, HelpURL=https://www.yageo.com/upload/media/product/productsearch/datasheet/rchip/PYu-RC_Group_51_RoHS_L_10.pdf, Magnetic Material=Unknown, Part Number #1=RC0402FR-0733RL, Polarized=NO, Supplier 1=Digi-Key, VerifiedBy="C.Paulin - 21/01/2020"
R102A R102B R102C R105A R105B R105C R178 R184 R185 R186: library part RES_RC0402FR-070RL, "RES - 0R 1/16W 1A  - 0402", Current Rating=1A, Manufacturer #1=Yageo, Package=0402, Power Max=1/16W, Supplier Part Number 1=311-0.0LRCT-ND, Temperature="-55°C ~ 155°C", Voltage Rating=50V, Assembly Type=SMD, CreatedBy/Date="Keven Deslandes 2018-09-12", Cryo=UNKNOWN, GRAMS Lib Spec=2.8, HelpURL=http://www.yageo.com/documents/recent/PYu-RC_Group_51_RoHS_L_10.pdf, Magnetic Material=Unknown, Part Number #1=RC0402FR-070RL, Polarized=No, Supplier 1=Digi-Key, VerifiedBy="Caroline Paulin - 27 fév 2019"
R103A R103B R103C R104A R104B R104C: library part RES_RC0402FR-0784R5L, "RES - 84R5 1% 1/16W - 0402", Manufacturer #1=Yageo, Package=0402, Power Max=1/16W, Supplier Part Number 1=YAG3246CT-ND, Temperature="-55°C ~ 155°C", Tolerance=1%, Voltage Rating=50V, Assembly Type=SMD, CreatedBy/Date="Philippe Arsenault/ 2021-03-31", GRAMS Lib Spec=2.8c, HelpURL=https://www.yageo.com/upload/media/product/productsearch/datasheet/rchip/PYu-RC_Group_51_RoHS_L_11.pdf, Magnetic Material=Unknown, Part Number #1=RC0402FR-0784R5L, Polarized=No, Supplier 1=Digi-Key
R108A R108B R108C: library part RES_RC0402FR-0740K2L, "RES - 40.2K 1% 1/16W - 0402", Current Rating=-, Manufacturer #1=Yageo, Package=0402, Power Max=1/16W, Supplier Part Number 1=311-40.2KLRCT-ND, Temperature="-55°C ~ 155°C", Tolerance=1%, Voltage Rating=50V, Assembly Type=SMD, CreatedBy/Date="Raphael Bouchard - 2019-08-09", Cryo=UNKNOWN, GRAMS Lib Spec=2.8, HelpURL=http://www.yageo.com/documents/recent/PYu-RC_Group_51_RoHS_L_10.pdf, Magnetic Material=Unknown, Manufacturer #2=-, Note=-, Part Number #1=RC0402FR-0740K2L, Part Number #2=-, Polarized=No, Supplier 1=Digi-Key, VerifiedBy="C.Paulin - 15/08/2019"
R130: library part RES_RC0402FR-0747RL, "RES -  47ohm ±1% 0.063W, 1/16W Chip Resistor 0402", Manufacturer #1=Yageo, Package=0402, Power Max=1/16W, Supplier Part Number 1=311-47.0LRCT-ND, Temperature="-55°C ~ 155°C", Tolerance=1%, Voltage Rating=50V, Assembly Type=SMD, CreatedBy/Date="Philippe Arsenault/2021-04-10", GRAMS Lib Spec=2.8, HelpURL=https://www.yageo.com/upload/media/product/productsearch/datasheet/rchip/PYu-RC_Group_51_RoHS_L_11.pdf, Magnetic Material=Unknown, Part Number #1=RC0402FR-0747RL, Polarized=No, Supplier 1=Digi-Key, VerifiedBy="Louis-Daniel Gaulin / 14-04-2021"
R132: library part RES_RC0402FR-071ML, "RES - 1M 1% 1/16W - 0402", Manufacturer #1=Yageo, Package=0402, Power Max=1/16W, Supplier Part Number 1=311-1.00MLRCT-ND, Temperature="-55°C ~ 155°C", Tolerance=1%, Voltage Rating=50V, Assembly Type=SMD, CreatedBy/Date="Keven Deslandes 2018-11-09", Cryo=UNKNOWN, GRAMS Lib Spec=2.8, HelpURL=http://www.yageo.com/documents/recent/PYu-RC_Group_51_RoHS_L_10.pdf, Magnetic Material=Unknown, Part Number #1=RC0402FR-071ML, Polarized=No, Supplier 1=Digi-Key, VerifiedBy="Caroline Paulin - 7 janv 2019"
R151A R151B R151C R152A R152B R152C: library part RES_CRCW04023R48FKED, "RES - 3.48 R ±1% 1/16W -  0402", Manufacturer #1="Vishay Dale", Package=0402, Power Max=1/16W, Supplier Part Number 1=541-3.48LLCT-ND, Temperature="-55°C ~ 155°C", Tolerance=1%, Voltage Rating=50V, Assembly Type=SMD, CreatedBy/Date="Louis-Daniel Gaulin / 2021-05-01", GRAMS Lib Spec=2.8c, HelpURL=https://www.vishay.com/docs/20035/dcrcwe3.pdf, Magnetic Material=Unknown, Part Number #1=CRCW04023R48FKED, Polarized=No, Supplier 1=Digi-Key, VerifiedBy="Philippe Arsenault/2021-05-10"
S1 S2 S3 S7 S8: library part SWI_TACT_435171014816, "SWI - SWITCH TACTILE SPST-NO 0.05A 12V -SMD", Current Rating=50mA, Manufacturer #1="Würth Elektronik", Package=SMD, Supplier Part Number 1=732-435171014816CT-ND, Temperature="-40°C ~ 85°C", Voltage Rating=12VDC, Assembly Type=SMD, CreatedBy/Date="Hubert Dube - 22/07/20", Cryo=UNKNOWN, GRAMS Lib Spec=2.8, HelpURL=https://www.we-online.com/catalog/datasheet/435171014816.pdf, Magnetic Material=UNKNOWN, Part Number #1=435171014816, Polarized=No, Supplier 1=Digi-Key, VerifiedBy="Louis-Daniel Gaulin / 12-11-2020"
S4: library part SWI_500SDP1S1M2QEA, "SWI - SLIDE DPDT 5A 120V - TH", Current Rating=5A, Manufacturer #1=E-Switch, Manufacturer #2=-, Package="12.7x11.43mm plastic", Supplier Part Number 1=EG2475-ND, Temperature="-30°C ~ 85°C", Voltage Rating=120VAC/28VDC, Assembly Type=TH, CreatedBy/Date="Louis-Daniel Gaulin / 29-04-2021", Cryo=UNKNOWN, GRAMS Lib Spec=2.8c, HelpURL=https://sten-eswitch-13110800-production.s3.amazonaws.com/system/asset/product_line/data_sheet/115/500.pdf, Magnetic Material=Unknown, Part Number #1=500SDP1S1M2QEA, Part Number #2=-, Polarized=Yes, Power Max=-, Supplier 1=Digi-Key, Tolerance=-, VerifiedBy="Philippe Arsenault/ 2021-04-30"